# Altium PCB 一体板.PcbDoc (part 2 of 3)
Units mm, origin at the board's own origin, x right, y up, seen from the top; angles counter-clockwise.
Board outline 89.79 x 81.41 mm, 2 copper layers (Top Layer, Bottom Layer); 139 components, 96 nets, 464 pads, 108 vias.
Unrouted connection lines stored in the file: 2.
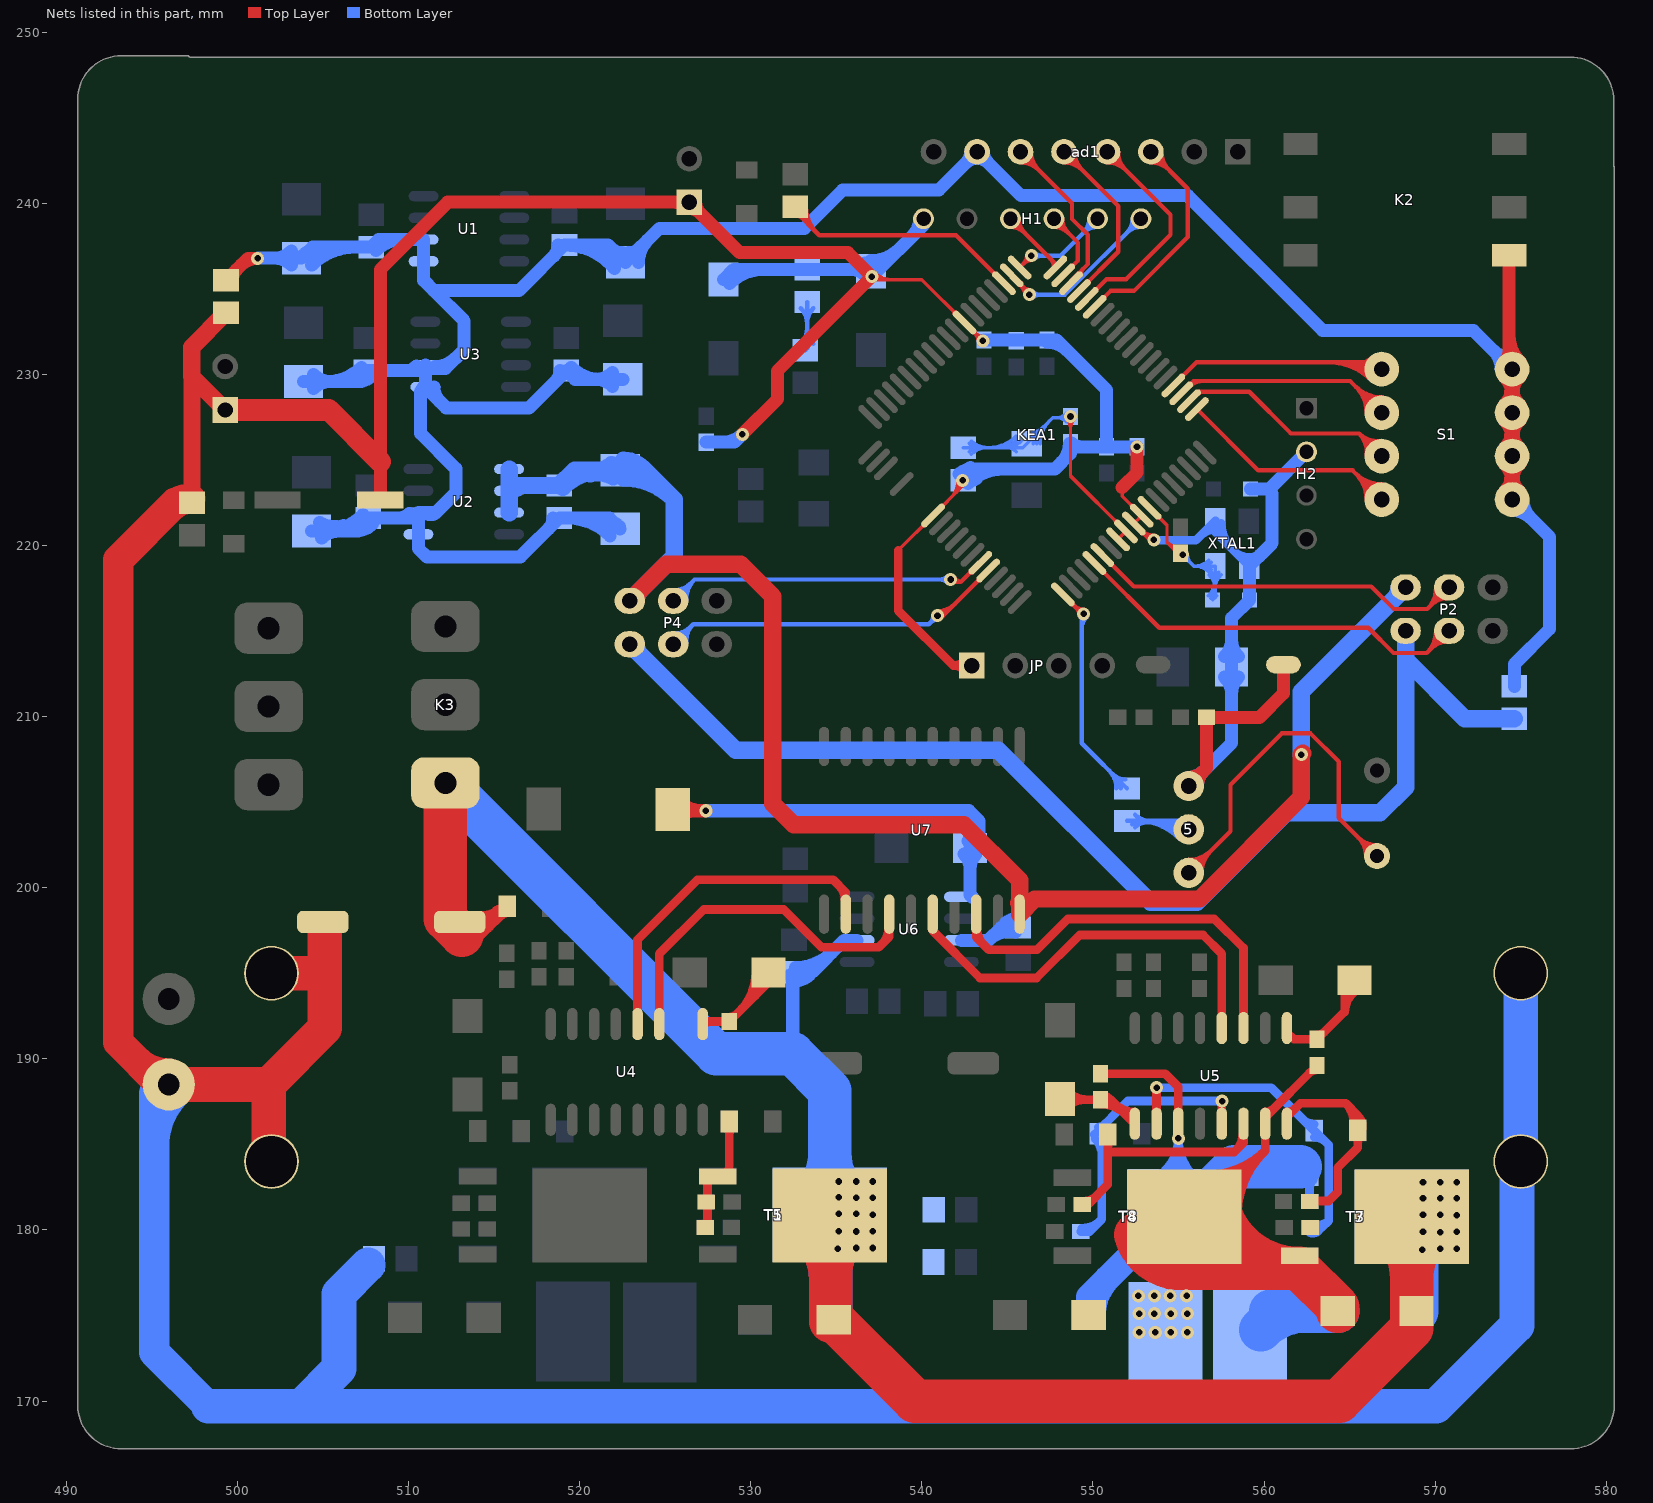
[diagram p2: the nets of this part, all layers, seen from the top]

## Via types
v1: diameter 0.762, hole 0.381, Top Layer to Bottom Layer, 106 vias
v2: diameter 0.9, hole 0.9, Top Layer to Bottom Layer, 2 vias

## Nets (pads, with @x,y where several pads share a name; then routed paths per layer and width w, separated by ;. In a path a pad name is that pad's centre, name@x,y a point inside that pad or via, vN(x,y) a via of type N, cw(c..) or ccw(c..) an arc to the next point about the centre after c; other vN are vias at no path point) (continued)
ADC0_SE12: ad1.6 KEA1.38 | length 13.9
  Top Layer w0.254: ad1.6@545.77,242.379 cw(c545.77,240.875) 546.833,241.938 cw(c547.897,243.002) ad1.6@546.393,243.002 ; ad1.6@545.77,242.633 cw(c545.77,241.742) 546.4,242.372 cw(c547.03,243.002) ad1.6@546.139,243.002 ; ad1.6@545.77,243.002 548.78,239.992 548.78,239.077 549.707,238.15 549.707,236.449 548.723,235.464 KEA1.38@548.723,235.323 ; KEA1.38@549.291,235.818 cw(c549.809,235.818) 549.442,236.184
ADC0_SE13: ad1.5 KEA1.37 | length 14.2
  Top Layer w0.254: ad1.5@548.31,242.379 cw(c548.31,240.875) 549.373,241.938 cw(c550.437,243.002) ad1.5@548.933,243.002 ; ad1.5@548.31,242.633 cw(c548.31,241.742) 548.94,242.372 cw(c549.57,243.002) ad1.5@548.679,243.002 ; ad1.5@548.31,243.002 551.485,239.827 551.485,237.166 KEA1.37@549.182,234.863
ADC0_SE14: ad1.4 KEA1.36 | length 16.6
  Top Layer w0.254: KEA1.36@549.642,234.404 550.798,235.56 551.942,235.56 554.533,238.15 554.533,239.319 ad1.4@550.85,243.002 ; ad1.4@550.85,242.379 cw(c550.85,240.875) 551.913,241.938 cw(c552.977,243.002) ad1.4@551.473,243.002 ; ad1.4@550.85,242.633 cw(c550.85,241.742) 551.48,242.372 cw(c552.11,243.002) ad1.4@551.219,243.002
ADC0_SE15: ad1.3 KEA1.35 | length 16.8
  Top Layer w0.254: KEA1.35@550.101,233.944 551.031,234.874 552.399,234.874 555.549,238.023 555.549,240.386 555.549,240.843 ad1.3@553.39,243.002 ; ad1.3@553.39,242.379 cw(c553.39,240.875) 554.453,241.938 cw(c555.517,243.002) ad1.3@554.013,243.002 ; ad1.3@553.39,242.633 cw(c553.39,241.742) 554.02,242.372 cw(c554.65,243.002) ad1.3@553.759,243.002
AGND: 1.2 2.2 3.2 4.2 7.2 8.2 9.2 10.2 11.2 12.2 13.2 14.2 A-G1.2 ad1.7 D-G1.1 K2.6 S1.1 S1.2 S1.3 S1.4 U1.1 U1.2 U2.1 U2.2 U3.1 U3.2 | length 254.1
  Top Layer w0.762: D-G1.1@499.339,235.494 500.624,236.779 v1(501.193,236.779) ccw(c501.193,235.405) 500.221,236.376 ; D-G1.1@499.708,235.494 cw(c500.598,235.494) D-G1.1@499.969,236.124 ; S1.1@574.048,223.131 ccw(c572.964,224.215) 574.497,224.215 ccw(c576.03,224.215) S1.1@574.946,223.131 ; S1.2@574.048,224.773 cw(c572.964,223.689) 574.497,223.689 cw(c576.03,223.689) S1.2@574.946,224.773 ; S1.2@574.048,225.671 ccw(c572.964,226.755) 574.497,226.755 ccw(c576.03,226.755) S1.2@574.946,225.671 ; S1.3@574.048,227.313 cw(c572.964,226.229) 574.497,226.229 cw(c576.03,226.229) S1.3@574.946,227.313 ; S1.3@574.048,228.211 ccw(c572.964,229.295) 574.497,229.295 ccw(c576.03,229.295) S1.3@574.946,228.211 ; S1.4@574.048,229.853 cw(c572.964,228.769) 574.497,228.769 cw(c576.03,228.769) S1.4@574.946,229.853 ; S1.4@574.048,230.751 ccw(c573.384,231.415) 574.323,231.415 ; S1.2@574.12,224.711 cw(c573.657,224.086) 574.409,223.884 ; S1.3@574.12,227.251 cw(c573.657,226.626) 574.409,226.424 ; S1.4@574.12,229.791 cw(c573.657,229.166) 574.409,228.964 ; 574.323,232.254 ccw(c576.45,232.254) S1.4@574.946,230.751 ; K2.6@574.323,236.958 574.323,230.476 S1.4@574.497,230.302 S1.3@574.497,227.762 S1.2@574.497,225.222 S1.1@574.497,222.682 ; 574.586,223.884 cw(c575.337,224.086) S1.2@574.875,224.711 ; 574.586,226.424 cw(c575.337,226.626) S1.3@574.875,227.251 ; 574.586,228.964 cw(c575.337,229.166) S1.4@574.875,229.791
  Bottom Layer w0.762: v1(501.193,236.779) 501.205,236.791 1.2@503.758,236.791 504.396,237.429 2.2@507.822,237.429 508.264,237.871 U1.2@510.887,237.871 U1.1@510.887,236.601 510.887,235.492 511.48,234.899 ; 1.2@503.164,236.387 ccw(c502.188,235.412) 502.188,236.791 ccw(c502.188,238.171) 1.2@503.164,237.196 ; 1.2@503.814,236.926 cw(c505.028,235.712) 505.028,237.429 ; 11.2@503.86,229.578 506.905,229.578 12.2@507.543,230.215 510.674,230.215 U3.2@510.989,230.53 ; 7.2@504.342,220.84 506.88,220.84 8.2@507.644,221.605 510.267,221.605 ; 1.2@504.353,236.387 cw(c506.867,233.873) 506.867,237.429 ; 11.2@504.454,229.174 cw(c505.43,228.198) 505.43,229.578 cw(c505.43,230.958) 11.2@504.454,229.982 ; 7.2@504.819,221.335 ccw(c505.737,222.925) 506.212,221.152 ; 7.2@504.937,220.436 cw(c505.913,219.461) 505.913,220.84 cw(c505.913,222.22) 7.2@504.937,221.244 ; 7.2@505.028,220.555 cw(c505.828,220.093) 505.589,220.985 ; 7.2@505.049,220.84 ccw(c505.049,224.1) 8.2@507.354,221.795 ; 505.254,229.578 ccw(c505.254,232.404) 12.2@507.253,230.406 ; 506.889,220.84 ccw(c506.889,222.26) 8.2@507.893,221.256 ; 8.2@507.014,220.975 ccw(c506.385,221.605) 8.2@507.275,221.605 ; 12.2@507.094,229.578 ccw(c507.094,230.564) 12.2@507.791,229.867 ; 2.2@508.112,237.239 cw(c509.639,235.712) 509.639,237.871 ; 509.442,221.605 ccw(c509.442,222.485) U2.2@510.065,221.863 ; 509.849,230.215 ccw(c509.849,231.095) U3.2@510.471,230.473 ; U2.2@510.582,221.691 U2.1@510.582,220.65 510.582,219.82 511.073,219.329 516.545,219.329 10.2@518.82,221.605 521.739,221.605 9.2@522.376,220.967 ; U2.2@510.582,221.92 511.607,221.92 ; 510.718,228.802 cw(c511.448,228.802) U3.1@510.932,229.318 ; U2.2@511.119,221.849 ccw(c511.315,222.212) 511.607,221.92 ; U2.2@511.157,221.839 ccw(c511.157,222.728) 511.786,222.099 ; U3.1@511.483,229.26 ccw(c512.675,229.26) 511.832,228.417 ; U3.2@511.564,230.449 ccw(c511.564,232.136) 512.756,230.943 ; 10.2@518.19,220.975 ccw(c517.561,221.605) 10.2@518.451,221.605 ; 4.2@518.495,236.926 ccw(c517.865,237.556) 4.2@518.756,237.556 ; 14.2@518.597,229.585 ccw(c517.967,230.215) 14.2@518.858,230.215 ; 10.2@519.267,221.605 cw(c519.267,218.049) 9.2@521.782,220.563 ; 14.2@519.517,230.406 ccw(c521.209,232.097) 521.209,229.705 ; 520.738,237.556 cw(c520.738,235.097) 3.2@522.638,236.658 ; 521.107,221.605 cw(c521.107,219.888) 9.2@522.321,221.102 ; 3.2@521.84,237.378 ccw(c522.491,238.029) 3.2@522.491,237.109 ; 3.2@521.931,236.655 ccw(c520.964,236.857) 521.663,237.556 ; 13.2@521.934,229.301 ccw(c520.959,228.325) 520.959,229.705 ccw(c520.959,231.085) 13.2@521.934,230.109 ; 3.2@522.049,236.175 ccw(c519.125,233.771) 4.2@519.125,237.556 ; 13.2@522.529,229.705 519.737,229.705 14.2@519.227,230.215 517.053,228.041 512.208,228.041 U3.1@510.989,229.26 ; 3.2@522.872,237.109 ccw(c522.872,238.029) 3.2@523.522,237.378 ; 3.2@523.443,236.537 cw(c525.283,236.537) 523.982,237.838 ; ad1.7@542.861,243.002 cw(c541.97,243.002) 542.6,242.372 cw(c543.23,241.742) 543.23,242.633 cw(c543.23,241.742) 543.86,242.372 cw(c544.49,243.002) ad1.7@543.599,243.002 ; S1.4@573.862,230.302 ccw(c572.329,230.302) 573.413,231.386 ccw(c574.497,232.47) S1.4@574.497,230.937 ; S1.1@574.497,222.047 cw(c574.497,220.514) 575.581,221.598 cw(c576.665,222.682) S1.1@575.132,222.682 ; S1.1@574.497,222.682 576.682,220.497 576.682,215.113 574.624,213.055 A-G1.2@574.624,211.77 ; S1.4@574.497,230.302 572.237,232.562 563.423,232.562 555.549,240.436 545.795,240.436 ad1.7@543.23,243.002 540.995,240.767 535.381,240.767 533.146,238.531 524.675,238.531 3.2@522.681,236.537 521.663,237.556 ; U3.1@510.989,229.26 U3.2@510.989,230.53 ; U3.1@510.989,229.26 510.718,228.989 510.718,226.543 512.775,224.485 512.775,223.088 511.607,221.92 ; U3.2@510.989,230.53 511.167,230.353 512.166,230.353 513.258,231.445 513.258,233.121 511.48,234.899 ; 511.48,234.899 516.468,234.899 4.2@519.125,237.556 ; 4.2@519.125,237.556 521.663,237.556
B0: H1.6 KEA1.42 | length 15
  Top Layer w0.203: KEA1.42@545.258,235.691 KEA1.42@545.258,235.783
  Top Layer w0.254: KEA1.42@545.258,235.691 v1(546.29,234.658) ; KEA1.42@545.803,235.248 ccw(c546.395,235.59) v1@546.319,234.91 ; KEA1.42@545.826,235.288 ccw(c546.224,235.288) 545.942,235.006 ; 545.906,235.07 ccw(c546.193,235.236) v1@546.248,234.908 ; v1@546.036,234.658 ccw(c545.423,234.658) 545.857,235.092 ccw(c546.29,235.525) v1@546.29,234.912
  Bottom Layer w0.254: v1(546.29,234.658) 548.373,234.658 H1.6@552.806,239.09 ; v1@546.47,234.478 cw(c546.904,234.045) 546.904,234.658 cw(c546.904,235.271) v1@546.47,234.838 ; H1.6@552.323,239.09 cw(c551.158,239.09) 551.982,238.266 cw(c552.806,237.442) H1.6@552.806,238.608
B1: H1.5 KEA1.41 | length 9.5
  Top Layer w0.203: v1@546.405,236.93 v1(546.405,236.931)
  Top Layer w0.254: KEA1.41@545.717,236.242 v1@546.405,236.93 ; 545.97,236.495 ccw(c545.534,236.931) v1@546.151,236.931 ; 545.974,236.499 cw(c546.405,236.068) v1@546.405,236.677
  Bottom Layer w0.254: v1(546.405,236.931) 548.107,236.931 H1.5@550.266,239.09 ; v1@546.584,236.752 cw(c547.018,236.318) 547.018,236.931 cw(c547.018,237.544) v1@546.584,237.111 ; H1.5@549.783,239.09 cw(c548.618,239.09) 549.442,238.266 cw(c550.266,237.442) H1.5@550.266,238.608
B2: H1.3 KEA1.40 | length 6.3
  Top Layer w0.203: KEA1.40@547.803,236.242 KEA1.40@547.803,236.472
  Top Layer w0.254: H1.3@545.186,238.608 cw(c545.186,237.442) 546.009,238.266 cw(c546.833,239.09) H1.3@545.668,239.09 ; H1.3@545.186,239.09 KEA1.40@547.803,236.472 ; 547.516,236.76 cw(c546.998,236.242) KEA1.40@547.73,236.242
B3: H1.4 KEA1.39 | length 6.1
  Top Layer w0.254: H1.4@547.726,238.608 cw(c547.726,237.44) 548.551,238.266 ; H1.4@547.726,239.09 549.123,237.694 549.123,236.642 KEA1.39@548.263,235.783 ; H1.4@548.208,239.09 ccw(c549.371,239.09) 548.549,238.268
B_1: KEA1.22 S1.8 | length 18.8
  Top Layer w0.254: KEA1.22@556.077,227.969 559.662,224.384 565.175,224.384 S1.8@566.877,222.682 ; S1.8@565.988,222.682 ccw(c563.842,222.682) 565.36,224.199 ccw(c566.877,225.717) S1.8@566.877,223.571 ; S1.8@566.242,222.682 ccw(c564.709,222.682) 565.793,223.766 ccw(c566.877,224.85) S1.8@566.877,223.317
B_2: KEA1.23 S1.7 | length 18
  Top Layer w0.254: KEA1.23@555.617,228.429 556.169,228.981 559.13,228.981 561.569,226.543 565.556,226.543 ; KEA1.23@556.164,228.872 cw(c556.427,228.609) 556.427,228.981 ; S1.7@565.993,225.313 ccw(c564.483,225.469) 565.556,226.543 ; S1.7@566.246,225.287 ccw(c565.167,225.399) 565.934,226.165 ccw(c566.7,226.932) S1.7@566.812,225.853 ; S1.7@566.786,226.106 cw(c566.63,227.616) 565.556,226.543 ; S1.7@566.877,225.222 565.556,226.543
B_3: KEA1.24 S1.6 | length 19.3
  Top Layer w0.254: KEA1.24@555.157,228.888 555.879,229.61 565.029,229.61 S1.6@566.877,227.762 ; KEA1.24@555.704,229.332 cw(c556.376,228.66) 556.376,229.61 ; S1.6@565.988,227.762 ccw(c563.842,227.762) 565.36,229.279 ccw(c566.877,230.797) S1.6@566.877,228.651 ; S1.6@566.242,227.762 ccw(c564.709,227.762) 565.793,228.846 ccw(c566.877,229.93) S1.6@566.877,228.397
B_4: KEA1.25 S1.5 | length 21.7
  Top Layer w0.254: KEA1.25@554.698,229.348 556.058,230.708 566.471,230.708 S1.5@566.877,230.302 ; 563.75,230.708 cw(c563.75,227.174) S1.5@566.249,229.673 ; 564.363,230.708 cw(c564.363,227.788) S1.5@566.428,229.853 ; 564.976,230.708 cw(c564.976,228.401) S1.5@566.608,230.032 ; 565.589,230.708 cw(c565.589,229.014) S1.5@566.787,230.212 ; 565.712,230.708 ccw(c565.712,231.467) S1.5@566.249,230.93
B_5V: 9.1 10.1 P2.2 P4.2 U2.5 U2.6 U2.7 U7.20 | length 110.5
  Top Layer w1.016: P4.2@522.935,216.764 525.069,218.897 529.412,218.897 531.292,217.018 531.292,204.902 532.511,203.683 542.468,203.683 545.719,200.431 U7.20@545.719,198.452 546.606,199.339 ; P4.2@523.316,216.764 cw(c524.236,216.764) 523.586,217.414 ; U7.20@545.658,199.104 ccw(c545.936,200.009) 546.606,199.339 ; v1@562.254,207.848 v1(562.178,207.772) 562.178,205.287 556.231,199.339 546.606,199.339
  Bottom Layer w1.016: U2.7@515.882,221.92 U2.6@515.882,223.19 ; U2.5@515.882,224.46 U2.6@515.882,223.19 ; U2.6@516.31,223.337 cw(c516.716,222.931) 516.716,223.505 ; 10.1@519.021,223.404 cw(c521.415,221.01) 9.1@521.415,224.396 ; 520.633,224.187 cw(c521.087,222.492) 9.1@521.964,224.011 ; 9.1@521.872,224.082 ccw(c521.113,223.323) 521.113,224.396 ccw(c521.113,225.469) 9.1@521.872,224.711 ; 9.1@522.567,223.952 cw(c522.567,219.874) 525.45,222.757 ; 9.1@522.567,224.968 cw(c522.567,223.343) 523.716,224.492 ; 9.1@522.881,224.082 cw(c523.64,223.323) 523.64,224.396 cw(c523.64,225.469) 9.1@522.881,224.711 ; P4.2@522.935,216.764 525.526,219.354 525.526,222.682 523.812,224.396 9.1@522.376,224.396 519.712,224.396 10.1@518.82,223.505 516.197,223.505 U2.6@515.882,223.19 ; P4.2@523.316,216.764 cw(c524.236,216.764) 523.586,217.414 ; v1(562.178,207.772) 562.178,211.455 P2.2@568.274,217.551 ; 567.624,216.901 ccw(c566.973,217.551) P2.2@567.893,217.551
CH2: U5.3 U7.18 | length 24.4
  Top Layer w0.508: U7.18@543.179,198.452 543.179,197.104 543.916,196.367 546.735,196.367 548.538,198.171 557.098,198.171 558.8,196.469 U5.3@558.8,191.795 ; U7.18@543.225,197.602 ccw(c544.539,197.602) 543.61,196.673
CH3: U5.4 U7.16 | length 25.2
  Top Layer w0.508: U7.16@540.639,198.452 540.639,197.485 543.408,194.716 546.71,194.716 549.224,197.231 556.438,197.231 557.53,196.139 U5.4@557.53,191.795 ; U7.16@540.685,197.602 ccw(c541.079,197.602) 540.801,197.323
CH4: U4.3 U7.14 | length 22.1
  Top Layer w0.508: U4.3@524.662,192.024 524.662,196.139 527.253,198.73 531.927,198.73 534.137,196.52 537.489,196.52 538.099,197.129 U7.14@538.099,198.452 ; 537.686,196.716 ccw(c536.8,197.602) U7.14@538.053,197.602
CH5: U4.4 U7.12 | length 21
  Top Layer w0.508: U4.4@523.392,192.024 523.392,196.952 526.898,200.457 534.822,200.457 535.559,199.72 U7.12@535.559,198.452 ; 535.185,200.094 cw(c534.393,199.302) U7.12@535.513,199.302
DGND: A-G1.1 P2.1 P4.1 | length 72
  Bottom Layer w1.016: P4.1@522.935,214.224 529.133,208.026 544.474,208.026 553.364,199.136 556.082,199.136 561.315,204.368 566.776,204.368 568.274,205.867 568.274,213.335 ; P4.1@523.316,214.224 ccw(c524.236,214.224) 523.586,213.573 ; P2.1@568.274,215.011 568.274,213.335 ; A-G1.1@574.624,209.87 571.739,209.87 568.274,213.335
EXTAL: C13.1 KEA1.13 R5.2 XTAL1.3 | length 20.8
  Top Layer w0.203: KEA1.13@553.312,222.199 554.33,221.181 554.33,220.193 ; KEA1.13@553.807,221.606 cw(c553.807,221.368) 553.975,221.536 cw(c554.143,221.704) KEA1.13@553.905,221.704 ; 554.464,220.059 ccw(c555.244,220.839) R5.2@555.244,219.735 ; 554.624,219.898 ccw(c555.03,220.304) R5.2@555.1,219.734 ; 554.666,219.856 cw(c554.406,219.596) R5.2@554.774,219.596 ; R5.2@554.81,219.712 ccw(c555.244,220.145) R5.2@555.244,219.532 ; R5.2@554.893,219.629 cw(c554.719,219.456) R5.2@554.965,219.456 ; R5.2@554.972,219.752 cw(c554.893,219.192) R5.2@555.345,219.532 ; R5.2@555.075,219.936 cw(c554.965,220.828) 554.33,220.193 ; R5.2@555.155,219.367 554.33,220.193
  Bottom Layer w0.203: v1@555.244,219.177 cw(c555.244,218.502) 555.721,218.979 cw(c556.198,219.456) v1@555.523,219.456 ; v1(555.244,219.456) 555.904,218.796 XTAL1.3@557.136,218.796 557.136,216.954 C13.1@556.997,216.814 ; C13.1@556.754,217.057 ccw(c555.831,217.98) 557.136,217.98 ; XTAL1.3@556.784,218.293 cw(c555.933,217.442) 557.136,217.442 cw(c558.34,217.442) XTAL1.3@557.489,218.293 ; XTAL1.3@556.784,218.443 ccw(c555.933,217.592) 555.933,218.796 ccw(c555.933,219.999) XTAL1.3@556.784,219.148 ; C13.1@556.898,216.913 ccw(c556.322,217.489) 557.136,217.489 ; XTAL1.3@556.928,218.437 cw(c556.424,217.933) 557.136,217.933 cw(c557.849,217.933) XTAL1.3@557.345,218.437 ; XTAL1.3@556.928,218.587 ccw(c556.424,218.083) 556.424,218.796 ccw(c556.424,219.508) XTAL1.3@556.928,219.004 ; 557.136,217.305 ccw(c557.487,217.305) C13.1@557.239,217.057
F3: 1K.2 KEA1.43 | length 18.1
  Top Layer w0.254: 1K.2@532.613,239.791 532.613,239.522 534.01,238.125 541.996,238.125 KEA1.43@544.798,235.323 ; 1K.2@532.713,239.268 cw(c532.713,238.897) 1K.2@532.975,239.159 ; 1K.2@532.728,239.791 ccw(c533.655,239.791) 532.999,239.135 ; 1K.2@532.982,239.791 ccw(c534.522,239.791) 533.433,238.702 ; 1K.2@533.236,239.791 ccw(c535.39,239.791) 533.866,238.268
FQM: KEA1.2 R3.1 | length 17.3
  Top Layer w0.254: KEA1.2@548.245,217.132 549.375,216.002 v1(549.453,216.002) ; 548.887,216.49 ccw(c549.453,217.056) v1@549.453,216.256 ; 549.074,216.303 cw(c548.773,216.002) v1@549.199,216.002
  Bottom Layer w0.254: v1@549.273,215.822 cw(c549.085,215.634) 549.351,215.634 ; 549.351,215.143 cw(c550.311,215.143) v1@549.632,215.822 ; v1@549.402,215.748 549.351,215.697 549.351,208.443 R3.1@551.993,205.801 ; 550.929,206.865 cw(c549.866,205.801) R3.1@551.37,205.801 ; 551.171,206.623 ccw(c551.893,207.345) R3.1@551.893,206.324 ; R3.1@551.363,206.431 cw(c550.733,205.801) R3.1@551.624,205.801
FTM0_IO: KEA1.75 P4.4 | length 24.2
  Top Layer w0.254: P4.4@525.475,216.764 P4.4@525.577,216.764 ; v1(541.68,218.008) 541.807,217.881 542.286,217.881 ; v1@541.909,218.118 ccw(c542.286,218.3) 542.286,217.881 ; 542.756,218.351 cw(c542.924,218.183) KEA1.75@542.924,218.421 ; KEA1.75@543.597,219.192 542.286,217.881
  Bottom Layer w0.254: P4.4@525.475,216.764 526.72,218.008 ; P4.4@525.602,217.399 ccw(c525.602,218.625) 526.469,217.758 ; P4.4@525.983,216.776 cw(c527.087,216.813) 526.306,217.594 ; P4.4@526.237,216.785 cw(c527.888,216.84) 526.72,218.008 ; v1@541.501,217.829 ccw(c541.067,217.395) 541.067,218.008 ccw(c541.067,218.621) v1@541.501,218.188 ; v1(541.68,218.008) 526.72,218.008
FTM0_PIN: KEA1.76 P4.3 | length 26
  Top Layer w0.254: P4.3@525.475,214.224 P4.3@525.577,214.224 ; v1@540.918,216.154 ccw(c540.918,217.567) 541.918,216.568 ; 541.484,216.134 cw(c540.918,216.7) v1(540.918,215.9) 541.25,215.9 KEA1.76@543.879,218.529
  Bottom Layer w0.254: P4.3@525.475,214.224 526.644,215.392 ; P4.3@525.602,214.859 ccw(c525.602,216.085) 526.469,215.218 ; P4.3@525.982,214.255 cw(c526.927,214.334) 526.256,215.005 ; P4.3@526.235,214.276 cw(c527.642,214.394) 526.644,215.392 ; v1@540.664,215.9 cw(c540.051,215.9) 540.485,215.466 cw(c540.918,215.033) v1@540.918,215.646 ; v1(540.918,215.9) 540.41,215.392 526.644,215.392
FTM1_IO: KEA1.7 P2.4 | length 25.4
  Top Layer w0.254: KEA1.7@550.548,219.435 552.381,217.602 566.268,217.602 567.588,216.281 569.544,216.281 ; 569.82,216.557 cw(c570.687,215.69) P2.4@570.687,216.916 ; 569.967,216.704 ccw(c569.148,217.523) P2.4@570.306,217.544 ; P2.4@570.052,217.54 cw(c568.317,217.508) 569.544,216.281 ; P2.4@570.814,217.551 569.544,216.281
FTM1_PIN: KEA1.6 P2.3 | length 26.8
  Top Layer w0.254: KEA1.6@550.087,218.975 553.873,215.189 566.09,215.189 567.563,213.716 569.519,213.716 ; 569.82,214.017 cw(c570.687,213.15) P2.3@570.687,214.376 ; 569.951,214.147 ccw(c569.092,215.006) P2.3@570.306,215.01 ; P2.3@570.052,215.009 cw(c568.231,215.003) 569.519,213.716 ; P2.3@570.814,215.011 569.519,213.716
GND: 5.1 C1.1 C2.2 C3.1 C4.1 C5.2 C6.1 C7.1 C8.1 C9.2 C11.1 C12.1 C13.2 C14.1 C15.1 C74.2 D1.1 D2.1 D-G1.2 H1.1 H2.2 JP45.1 JP.1 K4.2 KEA1.11 KEA1.12 KEA1.48 KEA1.69 P1.2 P_LED1.1 pad.0 pad.2 pad.4 pad.6 R23.1 R24.1 R25.1 R54.1 XTAL1.2 XTAL1.4 | length 440
  Top Layer w0.203: v1(537.083,235.712) 537.261,235.534 539.991,235.534 KEA1.48@542.5,233.025 ; v1@537.137,235.766 ccw(c537.696,236.325) 537.696,235.534 ; v1@537.281,235.91 ccw(c538.187,236.816) 538.187,235.534 ; 538.632,219.717 KEA1.69@540.662,221.746 542.392,223.476 v1(542.392,223.799) ; KEA1.69@540.068,221.251 cw(c539.831,221.251) 539.999,221.083 cw(c540.167,220.916) KEA1.69@540.167,221.153 ; KEA1.69@541.157,222.34 ccw(c541.157,222.577) 541.325,222.409 ccw(c541.493,222.241) KEA1.69@541.255,222.241 ; 541.686,222.771 ccw(c540.658,223.799) v1@542.112,223.799 ; KEA1.48@541.907,233.52 ccw(c541.669,233.52) 541.837,233.688 ccw(c542.005,233.856) KEA1.48@542.005,233.618 ; 542.033,223.118 ccw(c541.352,223.799) v1@542.315,223.799 ; KEA1.48@542.068,233.38 542.473,232.996 v1(543.572,231.953) ; KEA1.48@543.093,232.532 ccw(c543.403,232.54) 543.19,232.316 ; v1@543.293,231.946 ccw(c542.619,231.928) 543.083,232.417 ccw(c543.547,232.906) v1@543.565,232.232 ; 551.713,223.393 551.713,222.876 KEA1.12@552.851,221.738 KEA1.11@552.39,221.278 ; KEA1.12@552.258,222.233 ccw(c552.02,222.233) 552.188,222.401 ccw(c552.356,222.569) KEA1.12@552.356,222.332 ; KEA1.11@552.39,221.376 ccw(c552.39,221.614) 552.558,221.446 ccw(c552.726,221.278) KEA1.11@552.489,221.278 ; KEA1.12@552.753,221.738 cw(c552.515,221.738) 552.683,221.57 cw(c552.851,221.402) KEA1.12@552.851,221.64
  Top Layer w0.254: KEA1.11@552.39,221.278 553.349,220.32 v1(553.568,220.32) cw(c553.568,220.848) 553.194,220.474 ; KEA1.11@552.76,220.908 ccw(c553.568,221.715) v1@553.568,220.574
  Top Layer w0.508: 538.632,219.717 538.632,216.179 541.833,212.979 ; JP.1@542.552,212.653 ccw(c541.833,212.025) 541.833,212.979 ; JP.1@542.552,213.305 cw(c541.833,213.933) 541.833,212.979 ; JP.1@542.925,212.979 541.833,212.979
  Top Layer w0.762: C5.2@508.358,222.656 508.358,224.889 508.358,236.121 512.293,240.055 JP45.1@526.415,240.055 529.361,237.109 535.686,237.109 v1(537.083,235.712) 531.571,230.2 531.571,228.549 v1(529.514,226.492) ; JP45.1@526.154,239.794 ccw(c525.524,239.165) 525.524,240.055 ccw(c525.524,240.946) JP45.1@526.154,240.316 ; JP45.1@526.415,239.686 cw(c526.415,238.796) 527.045,239.425 cw(c527.675,240.055) JP45.1@526.784,240.055 ; 551.713,223.393 552.577,224.257 v1(552.577,225.755) ; 5.1@555.6,205.943 556.641,206.985 C14.1@556.641,209.956 559.74,209.956 561.137,211.353 K4.2@561.137,213.03 ; 5.1@555.6,206.451 ccw(c555.6,207.678) 556.467,206.81 ccw(c557.334,205.943) 5.1@556.108,205.943
  Top Layer w1.016: 496.377,222.489 R54.1@497.357,222.489 497.357,229.743 ; P_LED1.1@499.288,227.914 497.332,229.87 497.332,231.587 D-G1.2@499.339,233.594
  Top Layer w1.27: P_LED1.1@499.288,227.914 505.333,227.914 508.358,224.889
  Top Layer w1.778: 494.062,189.938 ccw(c496,191.875) P1.2@496,189.135 ; P1.2@495.5,188.5 493.039,190.961 493.039,219.151 496.377,222.489 ; 496.162,222.274 cw(c497.257,221.179) R54.1@497.257,222.728
  Top Layer w2.032: P1.2@495.5,188.5 P1.2@496,188.5 501.834,188.5 ; pad.4@502,184 501.834,184.166 501.834,188.5 ; pad.6@502,195 505.012,195 505.118,194.894 ; 505.118,197.231 505.118,194.894 ; 501.834,188.5 505.118,191.783 505.118,194.894
  Bottom Layer w0: 495.137,172.35 498.678,168.808
  Bottom Layer w0.203: C12.1@547.268,231.953 C12.1@547.319,232.004
  Bottom Layer w0.508: v1@553.822,220.294 556.019,220.294 XTAL1.4@557.162,221.437 557.162,220.777 XTAL1.2@559.143,218.796 ; 556.315,220.59 cw(c557.162,219.744) XTAL1.4@557.162,220.941 ; XTAL1.4@557,221.287 ccw(c557.841,221.287) XTAL1.4@557.246,220.692 ; XTAL1.4@557.508,221.287 ccw(c559.575,221.287) 558.113,219.825 ; 558.296,219.642 ccw(c559.143,220.489) XTAL1.2@559.143,219.292
  Bottom Layer w0.762: C15.1@527.406,226.035 529.057,226.035 v1(529.514,226.492) cw(c528.41,227.596) 528.41,226.035 ; D2.1@528.422,235.534 529.016,236.129 C4.1@533.298,236.129 536.666,236.129 v1(537.083,235.712) ; D2.1@528.771,235.31 cw(c530.747,233.333) 530.747,236.129 ; 535.808,236.129 ccw(c535.808,237.366) D1.1@536.683,236.491 ; 535.871,236.129 cw(c535.871,234.981) D1.1@536.683,235.792 ; 536.077,236.129 cw(c536.077,234.706) v1(537.083,235.712) ; D1.1@537.032,236.636 ccw(c537.032,238.989) 538.696,237.325 ; 539.464,238.093 ccw(c538.467,239.09) H1.1@539.877,239.09 ; H1.1@540.106,239.09 540.106,238.735 v1(537.083,235.712) ; C3.1@542.168,224.163 cw(c542.884,223.447) C3.1@542.884,224.46 ; C3.1@542.707,223.624 cw(c544.724,221.608) 544.724,224.46 ; 542.836,224.548 ccw(c543.28,223.779) v1(542.392,223.799) ; 543.193,223.905 cw(c542.665,224.82) v1(542.392,223.799) ; v1(543.572,231.953) 543.623,232.004 C11.1@543.636,232.004 C12.1@547.319,232.004 547.878,232.004 550.799,229.083 C7.1@550.799,225.755 ; C12.1@547.319,231.877 cw(c547.319,230.221) 548.49,231.392 ; 548.178,224.862 ccw(c547.094,225.946) C1.1@548.627,225.946 ; C1.1@548.736,225.991 ccw(c549.304,226.559) 549.304,225.755 ; v1(552.577,225.755) C7.1@550.799,225.755 ; 5.1@555.6,205.943 558.101,208.445 C2.2@558.101,212.903 558.101,215.76 C13.2@559.156,216.814 559.143,216.827 XTAL1.2@559.143,218.796 560.476,220.129 560.476,223.037 560.222,223.291 ; 5.1@555.6,206.451 ccw(c555.6,207.678) 556.467,206.81 ccw(c557.334,205.943) 5.1@556.108,205.943 ; C2.2@557.697,212.308 cw(c556.722,211.333) 558.101,211.333 cw(c559.481,211.333) C2.2@558.506,212.308 ; C2.2@557.697,213.497 ccw(c556.722,214.473) 558.101,214.473 ccw(c559.481,214.473) C2.2@558.506,213.497 ; XTAL1.2@559.143,219.165 ccw(c559.143,220.055) 559.773,219.426 ; C9.2@559.206,223.291 560.222,223.291 ; H2.2@562.483,225.466 560.309,223.291 560.222,223.291 ; v1(542.392,223.799) 543.052,224.46 547.776,224.46 548.691,225.374 548.691,225.933 548.869,225.755 C7.1@550.799,225.755
  Bottom Layer w1.778: 495.137,184.883 cw(c499.617,184.883) P1.2@496.449,188.051 ; P1.2@495.137,188 495.137,172.863 498.303,169.697
  Bottom Layer w2.032: 498.303,169.697 503.733,169.697 ; R23.1@507.639,177.958 505.943,176.261 505.943,171.907 503.733,169.697 ; pad.2@575,195 pad.0@575,184 574.777,183.777 574.777,174.422 570.052,169.697 503.733,169.697
L_AHB: C21.2 D9.2 U5.9 | length 12.7
  Top Layer w0.508: D9.2@548.081,187.653 548.129,187.604 C21.2@550.443,187.604 551.053,187.604 U5.9@552.45,186.207 ; D9.2@548.52,187.213 cw(c549.464,186.27) 549.464,187.604 ; D9.2@548.52,188.092 ccw(c549.697,189.268) 549.697,187.604 ; C21.2@550.309,187.47 ccw(c549.983,187.144) 549.983,187.604 ccw(c549.983,188.064) C21.2@550.309,187.739 ; C21.2@550.443,187.35 cw(c550.443,185.265) 551.918,186.74 ; C21.2@550.443,187.858 cw(c550.443,187) 551.05,187.607 ; C21.2@550.578,187.47 cw(c550.903,187.144) 550.903,187.604 cw(c550.903,188.064) C21.2@550.578,187.739 ; 551.279,187.378 ccw(c552.45,188.549) U5.9@552.45,186.893 ; U5.9@552.146,186.511 ccw(c552.45,186.814) U5.9@552.45,186.385
L_AHO: D18.1 R30.2 U5.10 | length 23
  Top Layer w0.508: U5.10@553.72,186.207 v1(553.72,188.316)
  Bottom Layer w0.508: v1(553.72,188.316) 560.426,188.316 D18.1@562.94,185.801 563.778,184.963 563.778,180.543 ; 562.29,186.451 ccw(c562.94,187.102) D18.1@562.94,186.182 ; R30.2@562.676,179.835 ccw(c562.835,180.318) R30.2@563.194,179.959 ; R30.2@562.712,180.137 563.372,180.137 563.778,180.543 ; R30.2@562.834,180.318 ccw(c563.123,181.198) 563.778,180.543 ; R30.2@562.91,180.002 cw(c563.235,179.677) 563.235,180.137 cw(c563.235,180.597) R30.2@562.91,180.272 ; D18.1@562.94,185.42 cw(c562.94,184.5) 563.591,185.151
L_AHS: C21.1 D22.1 D23.2 P8.1 R33.1 T7.3 T8.2 U5.11 | length 55.2
  Top Layer w0.508: C21.1@550.443,189.128 554.228,189.128 554.99,188.366 U5.11@554.99,186.207 v1(554.99,185.344) ; C21.1@550.578,188.994 cw(c550.903,188.668) 550.903,189.128 cw(c550.903,189.588) C21.1@550.578,189.263
  Bottom Layer w0.508: T8.2@553.587,182.995 ccw(c552.323,185.344) v1(554.99,185.344) ; T8.2@553.827,182.548 ccw(c552.781,184.493) 554.99,184.493 ; T8.2@554.068,182.101 ccw(c553.238,183.643) 554.99,183.643 ; T8.2@554.99,181.177 v1(554.99,185.344) ; 554.99,184.329 ccw(c557.414,184.329) T8.2@555.961,182.389 ; T8.2@556.265,182.795 cw(c558.174,185.344) v1(554.99,185.344) ; R33.1@562.526,181.796 ccw(c562.201,182.121) 562.661,182.121 ccw(c563.121,182.121) R33.1@562.796,181.796 ; R33.1@562.661,181.661 T7.3@562.661,182.677 ; 562.661,182.416 cw(c563.339,182.416) T7.3@562.859,182.896
  Bottom Layer w1.524: D23.2@549.76,175.031 549.76,176.075 T8.2@554.482,180.797 ; D23.2@549.998,175.031 cw(c553.093,175.031) 550.905,177.22
  Bottom Layer w2.54: T8.2@555.369,180.797 558.265,183.693 ; T8.2@557.428,181.05 cw(c560.393,181.564) 558.265,183.693 ; P8.1@559.81,174.174 cw(c562.431,171.553) 562.431,175.26 ; P8.1@560.4,175.26 D22.1@564.312,175.26 ; 562.127,183.693 558.265,183.693
L_ALO: D19.1 R31.2 U5.13 | length 18.8
  Top Layer w0.508: U5.13@557.53,186.207 v1@557.53,187.503
  Bottom Layer w0.508: R31.2@549.3,179.908 549.808,179.908 550.52,180.619 D19.1@550.52,185.141 ; R31.2@549.364,180.099 ccw(c549.364,181.632) 550.448,180.548 ; D19.1@550.088,185.572 552.044,187.528 v1(557.555,187.528) ; D19.1@550.137,185.317 cw(c549.213,184.392) 550.52,184.392 ; D19.1@550.316,186.004 ccw(c550.316,186.495) D19.1@550.663,186.148 ; D19.1@550.57,185.75 cw(c551.306,185.75) 550.786,186.271
L_BHO: D10.1 R19.2 U5.16 | length 16.8
  Top Layer w0.508: U5.16@561.315,186.411 561.315,186.588 562.127,187.401 564.769,187.401 ; U5.16@561.34,186.893 ccw(c561.34,187.568) 561.817,187.091 ; R19.2@562.859,181.526 cw(c563.246,181.14) 563.246,181.686 ; R19.2@562.966,181.686 563.778,181.686 564.312,182.22 564.312,183.642 565.48,184.81 D10.1@565.48,185.826 565.48,186.69 564.769,187.401 ; D10.1@565.229,185.992 ccw(c563.611,186.243) 564.769,187.401 ; D10.1@565.301,185.52 cw(c564.867,185.086) 565.48,185.086 cw(c566.093,185.086) D10.1@565.66,185.52 ; D10.1@565.301,186.133 ccw(c564.867,186.567) 565.48,186.567 ccw(c566.093,186.567) D10.1@565.66,186.133 ; 565.477,186.693 cw(c564.837,186.053) D10.1@565.731,185.914
L_BHS: C19.1 D14.1 D15.2 P7.1 R21.1 T3.3 T4.2 U5.15 | length 61.1
  Top Layer w0.508: T4.2@555.344,180.772 556.209,180.772 560.07,184.633 ; T4.2@556.094,182.244 ccw(c556.404,185.275) T4.2@558.558,183.121 ; T4.2@556.146,182.75 ccw(c556.544,186.646) 559.314,183.877 ; T4.2@556.198,183.255 ccw(c556.684,188.018) 560.07,184.632 ; T4.2@557.424,180.772 cw(c560.357,180.772) T4.2@558.283,182.846 ; T4.2@557.932,180.772 cw(c562.091,180.772) 559.15,183.713 ; T4.2@558.44,180.772 cw(c563.826,180.772) 560.017,184.58 ; U5.15@560.07,186.207 560.07,184.633 ; U5.15@560.07,186.588 C19.1@563.093,189.611 ; U5.15@560.07,186.893 ccw(c560.07,187.629) 560.59,187.109 ; C19.1@562.659,189.177 cw(c563.093,188.744) C19.1@563.093,189.357
  Top Layer w2.54: T4.2@552.505,179.707 ccw(c555.161,180.529) 555.161,177.749 ; T4.2@554.931,180.458 ccw(c558.606,181.596) 558.606,177.749 ; T4.2@555.344,180.772 555.344,178.132 555.727,177.749 562.051,177.749 ; T4.2@557.358,181.209 ccw(c562.051,182.662) 562.051,177.749 ; D14.1@564.312,175.26 564.312,175.489 562.051,177.749
  other v1: 552.704,174.015 553.644,174.015 554.558,174.015 555.523,174.015 552.704,175.108 553.593,175.108 554.558,175.108 555.523,175.108 552.653,176.149 553.593,176.149 554.507,176.149 555.473,176.149
L_BLO: D11.1 R20.2 U5.14 | length 16.4
  Top Layer w0.508: R20.2@549.44,181.673 ccw(c549.44,182.777) 550.221,181.997 ; R20.2@549.732,181.508 550.875,182.651 D11.1@550.875,185.572 ; D11.1@550.696,185.266 cw(c550.262,184.832) 550.875,184.832 cw(c551.488,184.832) D11.1@551.055,185.266 ; 550.901,184.556 558.267,184.556 558.8,185.09 U5.14@558.8,185.979 ; 558.372,184.662 ccw(c557.461,185.572) U5.14@558.749,185.572
M_7.2: C74.1 D12.2 D14.2 D20.2 D22.2 K3.1 LED2.1 R9.1 T1.2 T3.2 T5.2 T7.2 U6.6 | length 154.2
  Top Layer w0.762: 513.118,197.231 514.096,197.231 LED2.1@515.772,198.907 cw(c514.179,200.501) C74.1@513.885,198.267 ; C74.1@513.786,197.511 ccw(c513.925,198.569) 514.68,197.815 ; 515.222,198.59 cw(c515.563,197.999) LED2.1@515.74,198.658 ; LED2.1@515.339,198.474 cw(c515.772,198.04) LED2.1@515.772,198.653
  Top Layer w2.54: K3.1@512.166,206.121 512.166,198.183 513.118,197.231 ; T1.2@533.571,179.801 cw(c530.912,177.142) 534.673,177.142 ; D12.2@534.673,174.65 534.673,178.943 T1.2@534.673,179.608 ; 534.673,177.408 cw(c538.058,177.408) T1.2@535.664,179.801 ; D12.2@534.85,174.752 539.602,170 564.386,170 568.628,174.242 T3.2@568.628,180.772 ; T3.2@567.582,179.725 cw(c565.055,177.199) 568.628,177.199 cw(c572.201,177.199) T3.2@569.675,179.725
  Bottom Layer w0.762: R9.1@532.246,194.872 cw(c531.73,194.355) 532.46,194.355 ; 532.46,190.297 532.46,194.986 R9.1@532.536,195.062 533.593,195.062 535.457,196.926 U6.6@536.219,196.926 ; R9.1@532.636,194.569 ccw(c532.636,195.688) 533.428,194.897 ; R9.1@532.636,195.331 ccw(c532.636,198.29) 534.729,196.197
  Bottom Layer w2.54: K3.1@512.166,206.121 527.99,190.297 532.46,190.297 534.631,188.126 534.631,181.889 T5.2@534.631,180.886 ; T5.2@533.584,179.839 cw(c530.957,177.212) 534.673,177.212 ; T5.2@533.584,181.932 ccw(c531.058,184.459) 534.631,184.459 ccw(c538.204,184.459) T5.2@535.677,181.932 ; D20.2@534.673,174.752 T5.2@534.673,179.759 ; 534.673,177.414 cw(c538.103,177.414) T5.2@535.677,179.839 ; T7.2@567.582,179.725 cw(c564.371,176.514) 568.912,176.514 ; D22.2@568.912,175.26 T7.2@568.912,180.488 ; 568.912,177.883 cw(c571.517,177.883) T7.2@569.675,179.725
  other v1: 569.239,178.841 535.102,178.892 570.306,178.892 571.271,178.892 536.169,178.943 537.134,178.943 570.306,179.857 569.29,179.883 571.271,179.883 536.169,179.908 535.153,179.934 537.134,179.934 571.271,180.848 537.134,180.899 569.29,180.899 570.306,180.899 535.153,180.95 536.169,180.95 570.306,181.839 571.271,181.839 569.29,181.864 536.169,181.889 537.134,181.889 535.153,181.915 569.29,182.778 570.306,182.778 571.271,182.778 535.153,182.829 536.169,182.829 537.134,182.829
Net5_2: 5.2 R3.2 | length 16.3
  Bottom Layer w0.254: R3.2@551.993,203.901 555.102,203.901 5.2@555.6,203.403 ccw(c554.398,202.201) 554.398,203.901 ; R3.2@552.283,203.711 cw(c552.687,203.307) 552.764,203.873 ; R3.2@552.463,204.271 ccw(c553.355,205.164) 553.355,203.901 ccw(c553.355,202.638) 552.463,203.531 cw(c553.143,202.851) 553.272,203.805 ; R3.2@552.509,204.218 ccw(c553.344,204.855) 553.204,203.814 ; R3.2@552.558,203.901 cw(c552.558,200.362) 5.2@555.061,202.864 ; 553.171,203.901 cw(c553.171,200.975) 5.2@555.24,203.044 ; 553.785,203.901 cw(c553.785,201.588) 5.2@555.42,203.224
Net5_3: 5.3 6.2 | length 29.5
  Top Layer w0.254: 5.3@555.6,200.863 558.038,203.302 558.038,206.019 561.035,209.017 562.712,209.017 564.363,207.366 564.363,204.078 6.2@566.598,201.843 ; 5.3@555.6,201.371 ccw(c555.6,202.598) 556.467,201.73 ccw(c557.334,200.863) 5.3@556.108,200.863 ; 5.3@555.6,201.625 ccw(c555.6,203.465) 556.9,202.164 ccw(c558.201,200.863) 5.3@556.362,200.863 ; 6.2@565.963,201.843 ccw(c564.43,201.843) 565.514,202.927 ccw(c566.598,204.011) 6.2@566.598,202.478 ; 6.2@566.217,201.843 ccw(c565.297,201.843) 565.947,202.493 ccw(c566.598,203.144) 6.2@566.598,202.224
NetC1_2: C1.2 C3.2 KEA1.9 KEA1.10 L1.1 | length 33.4
  Top Layer w0.203: v1@548.493,227.336 cw(c548.016,226.859) 548.691,226.859 cw(c549.365,226.859) v1@548.888,227.336 ; v1(548.691,227.533) 548.691,224.056 KEA1.10@551.93,220.817 KEA1.9@551.469,220.356 ; KEA1.10@551.336,221.312 ccw(c551.099,221.312) 551.267,221.48 ccw(c551.435,221.648) KEA1.10@551.435,221.41 ; KEA1.9@551.469,220.455 ccw(c551.469,220.692) 551.637,220.524 ccw(c551.805,220.356) KEA1.9@551.568,220.356 ; KEA1.10@551.831,220.817 cw(c551.594,220.817) 551.762,220.649 cw(c551.93,220.481) KEA1.10@551.93,220.719
  Bottom Layer w0.203: C3.2@542.417,225.715 545.907,225.715 L1.1@546.125,225.933 547.649,227.457 C1.2@548.691,227.457 ; C3.2@542.761,225.471 cw(c543.35,224.881) 543.35,225.715 cw(c543.35,226.548) C3.2@542.761,225.959 ; C3.2@542.905,225.327 cw(c543.841,224.391) 543.841,225.715 cw(c543.841,227.039) C3.2@542.905,226.102 ; 543.894,225.715 ccw(c543.894,228.026) L1.1@545.528,226.391 ; 544.384,225.715 ccw(c544.384,227.535) L1.1@545.672,226.248 ; 544.875,225.715 ccw(c544.875,227.044) L1.1@545.815,226.104 ; 544.948,225.715 cw(c544.948,224.895) L1.1@545.528,225.475 ; L1.1@546.264,226.378 ccw(c546.264,227.117) L1.1@546.787,226.595 ; L1.1@546.264,226.581 ccw(c546.264,227.811) 547.134,226.942 ; L1.1@546.506,225.933 cw(c547.426,225.933) L1.1@546.776,226.583 ; L1.1@546.71,225.933 cw(c548.12,225.933) 547.123,226.93 ; L1.1@546.913,225.933 cw(c548.814,225.933) 547.47,227.277 ; 547.894,227.457 cw(c547.894,226.673) C1.2@548.448,227.227 ; 548.2,227.457 cw(c548.2,227.043) C1.2@548.493,227.336 ; C1.2@548.448,227.712 cw(c547.832,228.328) 547.832,227.457 ccw(c547.832,228.392) C1.2@548.493,227.731
NetC4_2: C4.2 R2.2 | length 7.3
  Bottom Layer w0.254: R2.2@532.927,231.774 ccw(c532.03,232.671) 533.298,232.671 ; C4.2@532.929,233.859 cw(c532.036,232.966) 533.298,232.966 cw(c534.561,232.966) C4.2@533.668,233.859 ; R2.2@533.107,231.594 ccw(c532.644,232.057) 533.298,232.057 ; R2.2@533.197,231.404 533.298,231.506 C4.2@533.298,234.229 ; 533.298,232.663 ccw(c534.556,232.663) R2.2@533.667,231.774
NetC16_1: C16.1 D3.2 U4.1 | length 11
  Top Layer w0.508: U4.1@527.238,191.988 cw(c527.693,191.533) 527.693,192.176 ; U4.1@527.355,192.176 C16.1@528.752,192.176 531.04,194.465 D3.2@531.04,195.047 ; C16.1@528.617,192.042 ccw(c528.292,191.716) 528.292,192.176 ccw(c528.292,192.636) C16.1@528.617,192.311 ; C16.1@528.752,192.43 ccw(c528.752,193.044) C16.1@529.185,192.61 ; 529.356,192.78 ccw(c527.089,195.047) D3.2@530.294,195.047 ; 530.223,193.647 ccw(c528.824,195.047) D3.2@530.802,195.047
NetC19_2: C19.2 D4.2 U5.1 | length 10.1
  Top Layer w0.508: U5.1@561.34,191.795 561.34,191.541 561.746,191.135 C19.2@563.093,191.135 564.721,192.763 D4.2@564.721,194.564 ; C19.2@562.958,191 ccw(c562.633,190.675) 562.633,191.135 ccw(c562.633,191.595) C19.2@562.958,191.27 ; C19.2@563.093,191.389 ccw(c563.093,192.002) C19.2@563.526,191.569 ; 564.721,192.712 cw(c566.297,192.712) D4.2@565.477,194.059 ; 564.721,193.616 cw(c565.747,193.616) D4.2@565.213,194.493
NetC20_1: C20.1 U6.3 | length 6.2
  Bottom Layer w0.762: U6.3@542.315,196.926 543.89,196.926 ; C20.1@544.895,197.931 cw(c545.478,197.349) C20.1@545.64,198.156 ; C20.1@545.49,197.409 ccw(c545.14,195.676) 543.89,196.926 ; C20.1@545.643,197.673 544.637,197.673 543.89,196.926
NetD6_1: D6.1 L3.2 U6.1 | length 28.7
  Top Layer w0.762: L3.2@525.45,204.572 525.526,204.495 v1(527.38,204.495) ; L3.2@525.887,204.134 cw(c526.76,203.261) 526.76,204.495 ; L3.2@525.887,205.009 ccw(c527.128,206.25) v1@527.128,204.495
  Bottom Layer w0.762: v1(527.38,204.495) 542.747,204.495 543.357,203.886 ; D6.1@542.474,201.962 cw(c541.631,201.118) 542.823,201.118 cw(c544.016,201.118) D6.1@543.173,201.962 ; D6.1@542.699,202.737 ccw(c542.026,203.886) 543.357,203.886 ; U6.1@542.823,199.568 D6.1@542.823,202.311 543.357,202.844 543.357,203.886 ; 542.823,199.773 ccw(c543.333,199.773) U6.1@542.973,199.412
NetD7_2: D7.2 R15.1 R17.2 T1.1 | length 9.2
  Top Layer w0.508: R17.2@527.284,180.272 ccw(c526.805,180.75) 527.482,180.75 ; T1.1@527.286,182.972 cw(c526.814,182.5) 527.482,182.5 ; R15.1@527.334,181.501 cw(c526.979,181.145) 527.482,181.145 ; R15.1@527.334,181.77 ccw(c526.979,182.126) 527.482,182.126 ; R17.2@527.482,180.137 T1.1@527.482,183.128 ; T1.1@528.536,183.284 ccw(c528.016,183.804) 528.752,183.804 ; D7.2@528.572,186.028 cw(c528.139,185.594) 528.752,185.594 cw(c529.365,185.594) D7.2@528.931,186.028 ; T1.1@528.752,183.007 D7.2@528.752,185.801